# Altium PCB Copy of PCB1.PcbDoc (part 1 of 2)
Units mil, origin at the board's own origin, x right, y up, seen from the top; angles counter-clockwise.
Board outline 3937 x 3937.01 mil, 4 copper layers (Top Layer, GND_02, PWR_03, Bottom Layer), stack 23.756 mil thick; 235 components, 113 nets, 583 pads, 552 vias.
Unrouted connection lines stored in the file: 1.
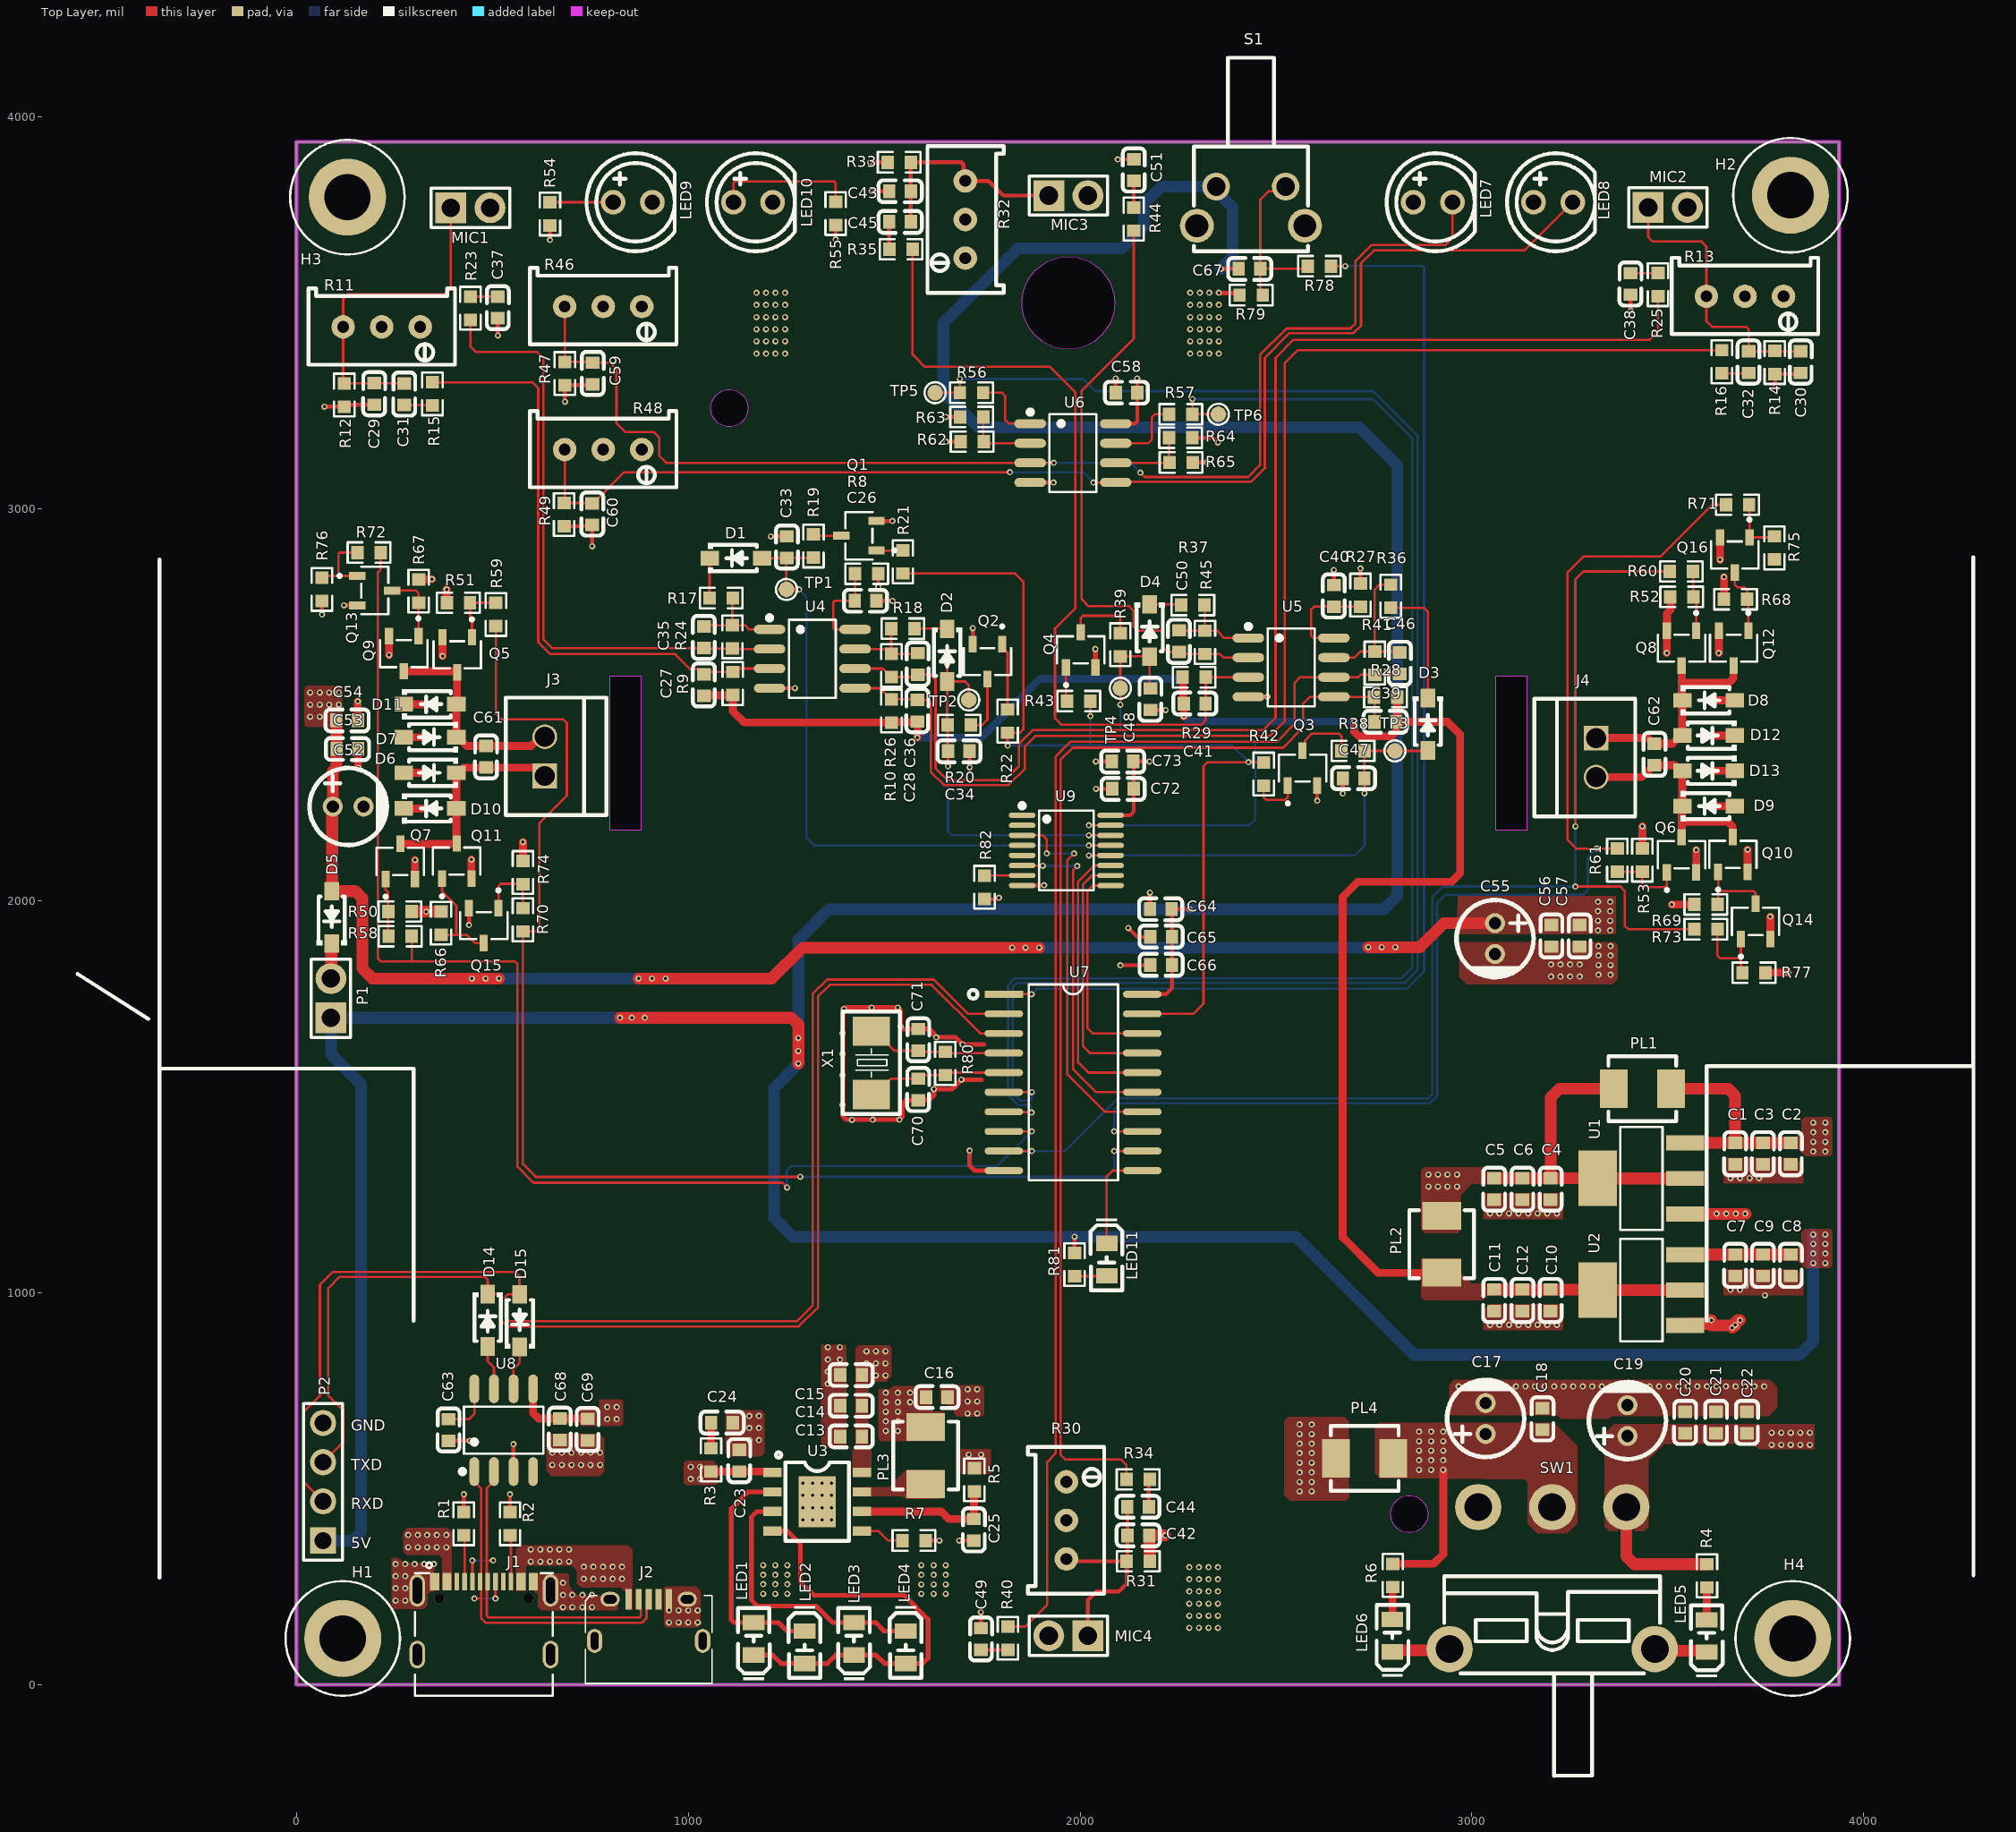
[diagram p0: Top Layer view]
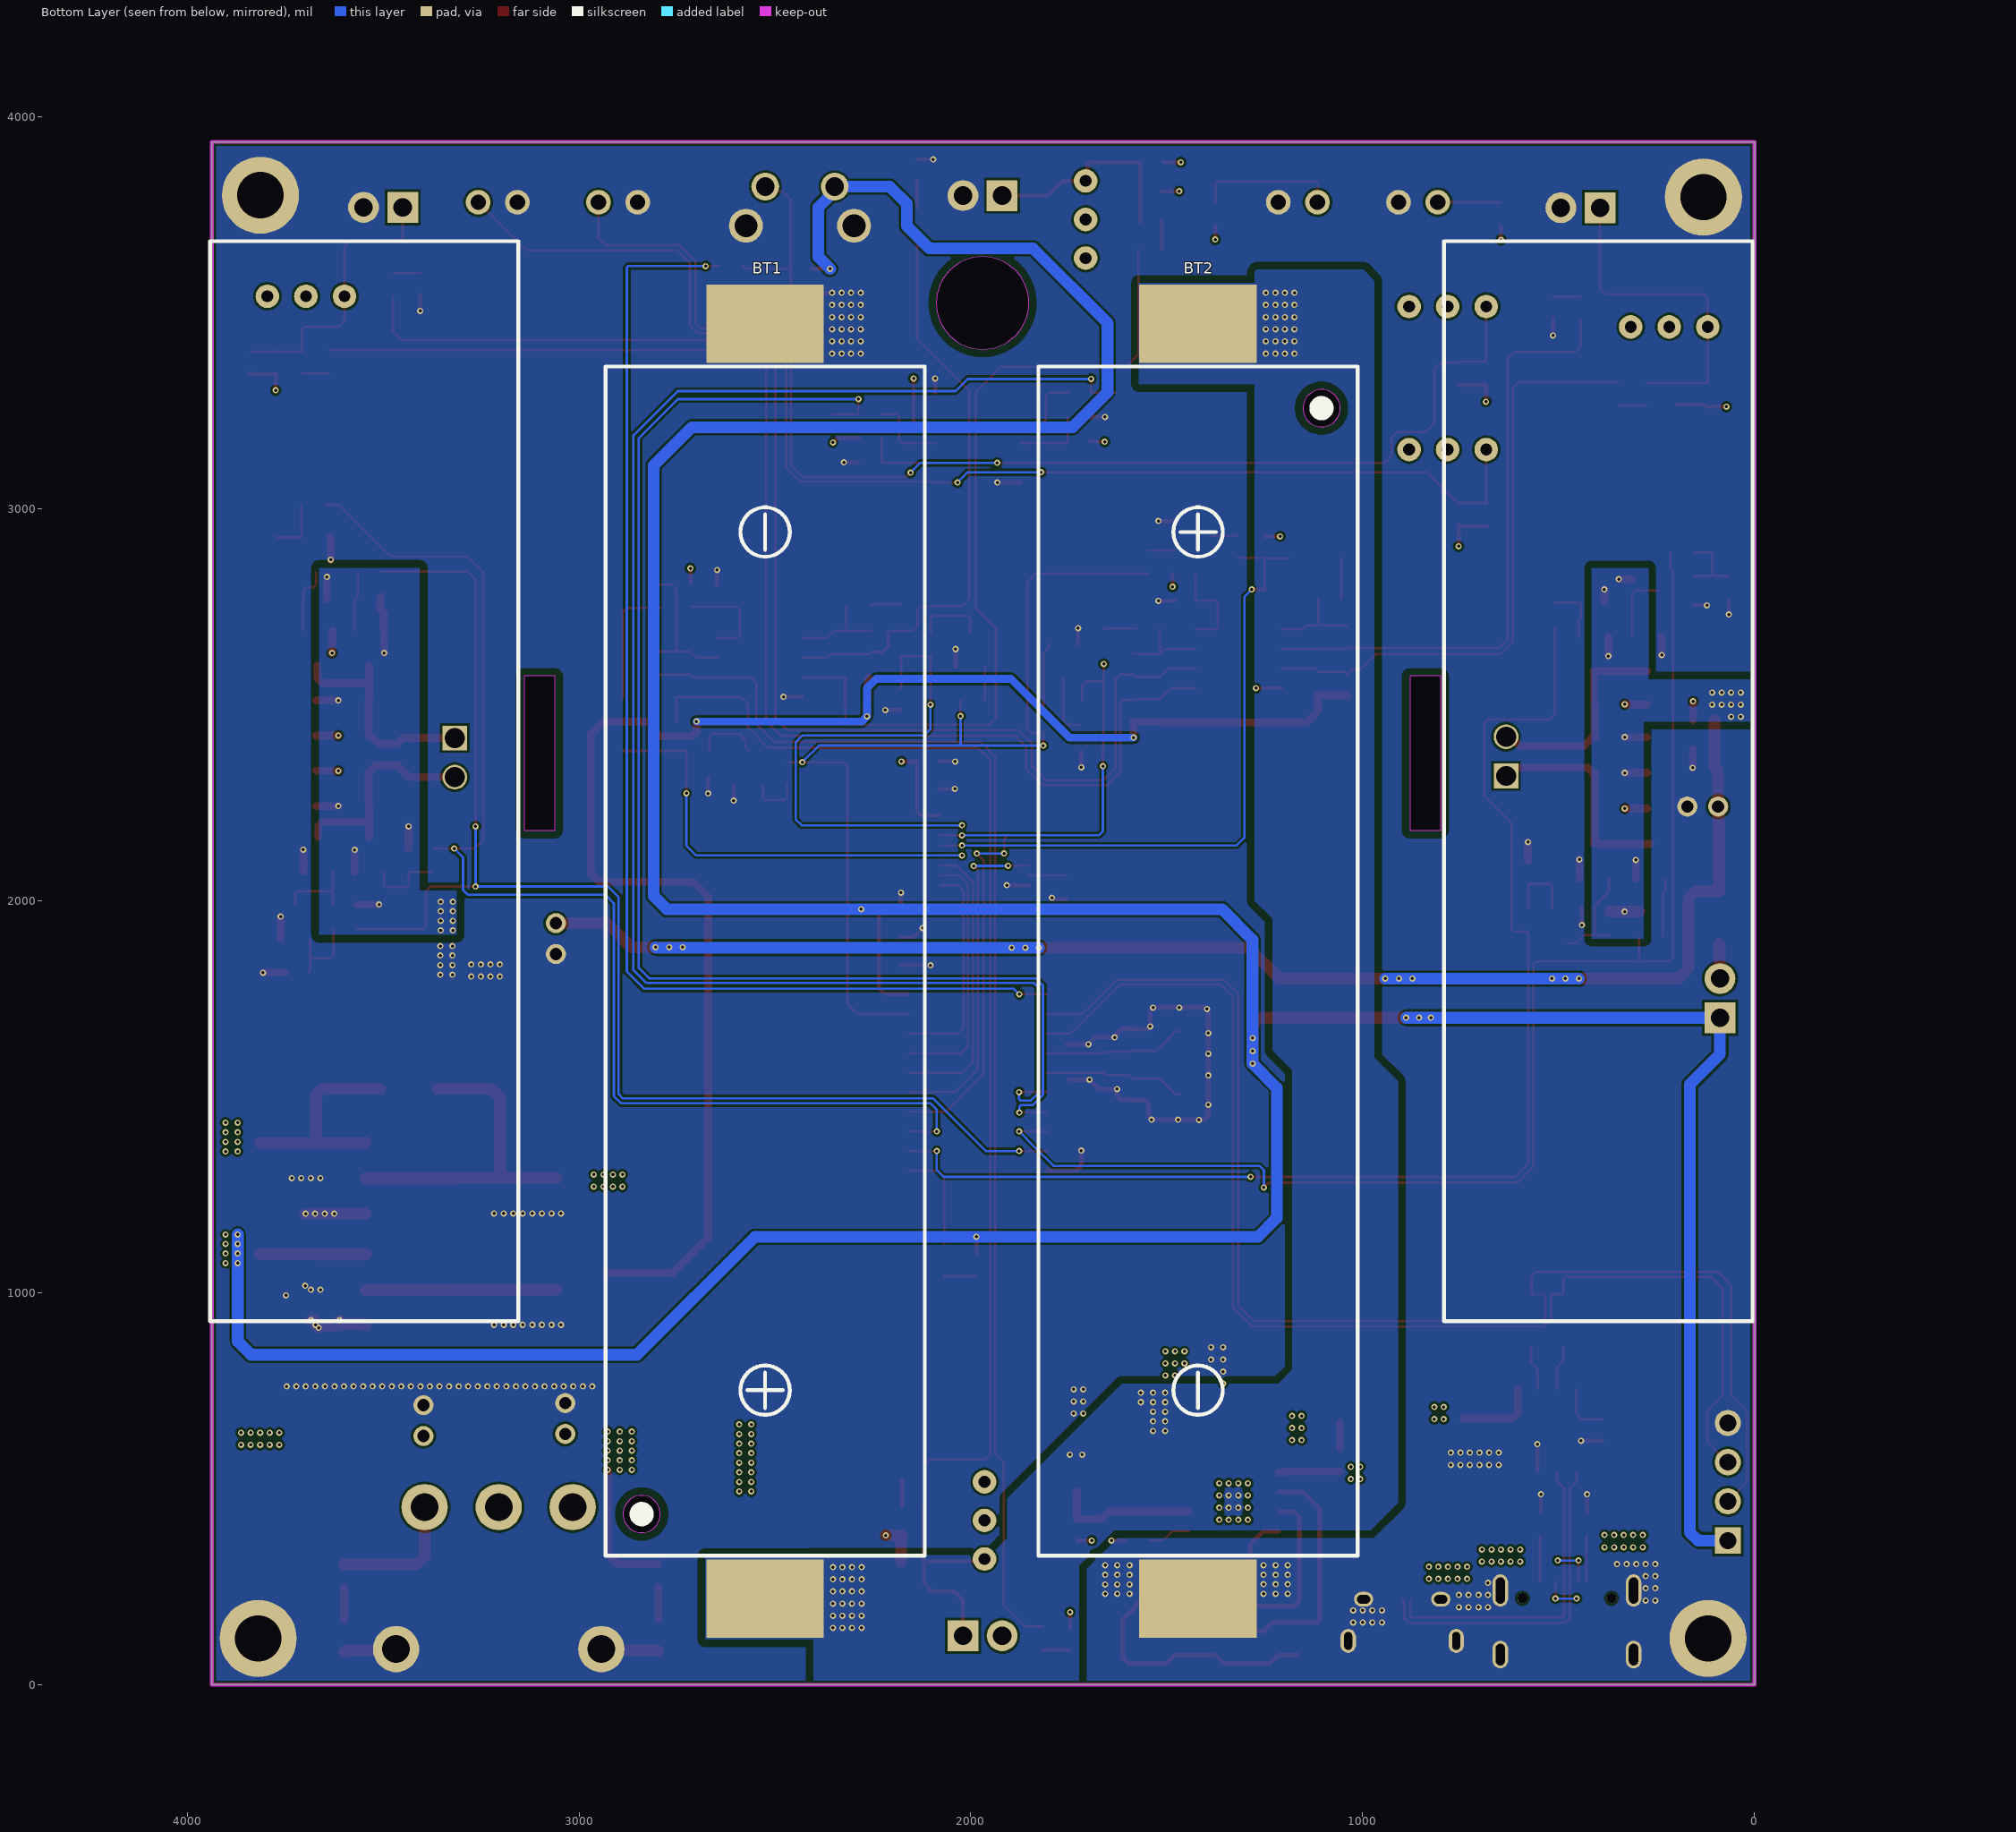
[diagram p1: Bottom Layer view, seen from below]
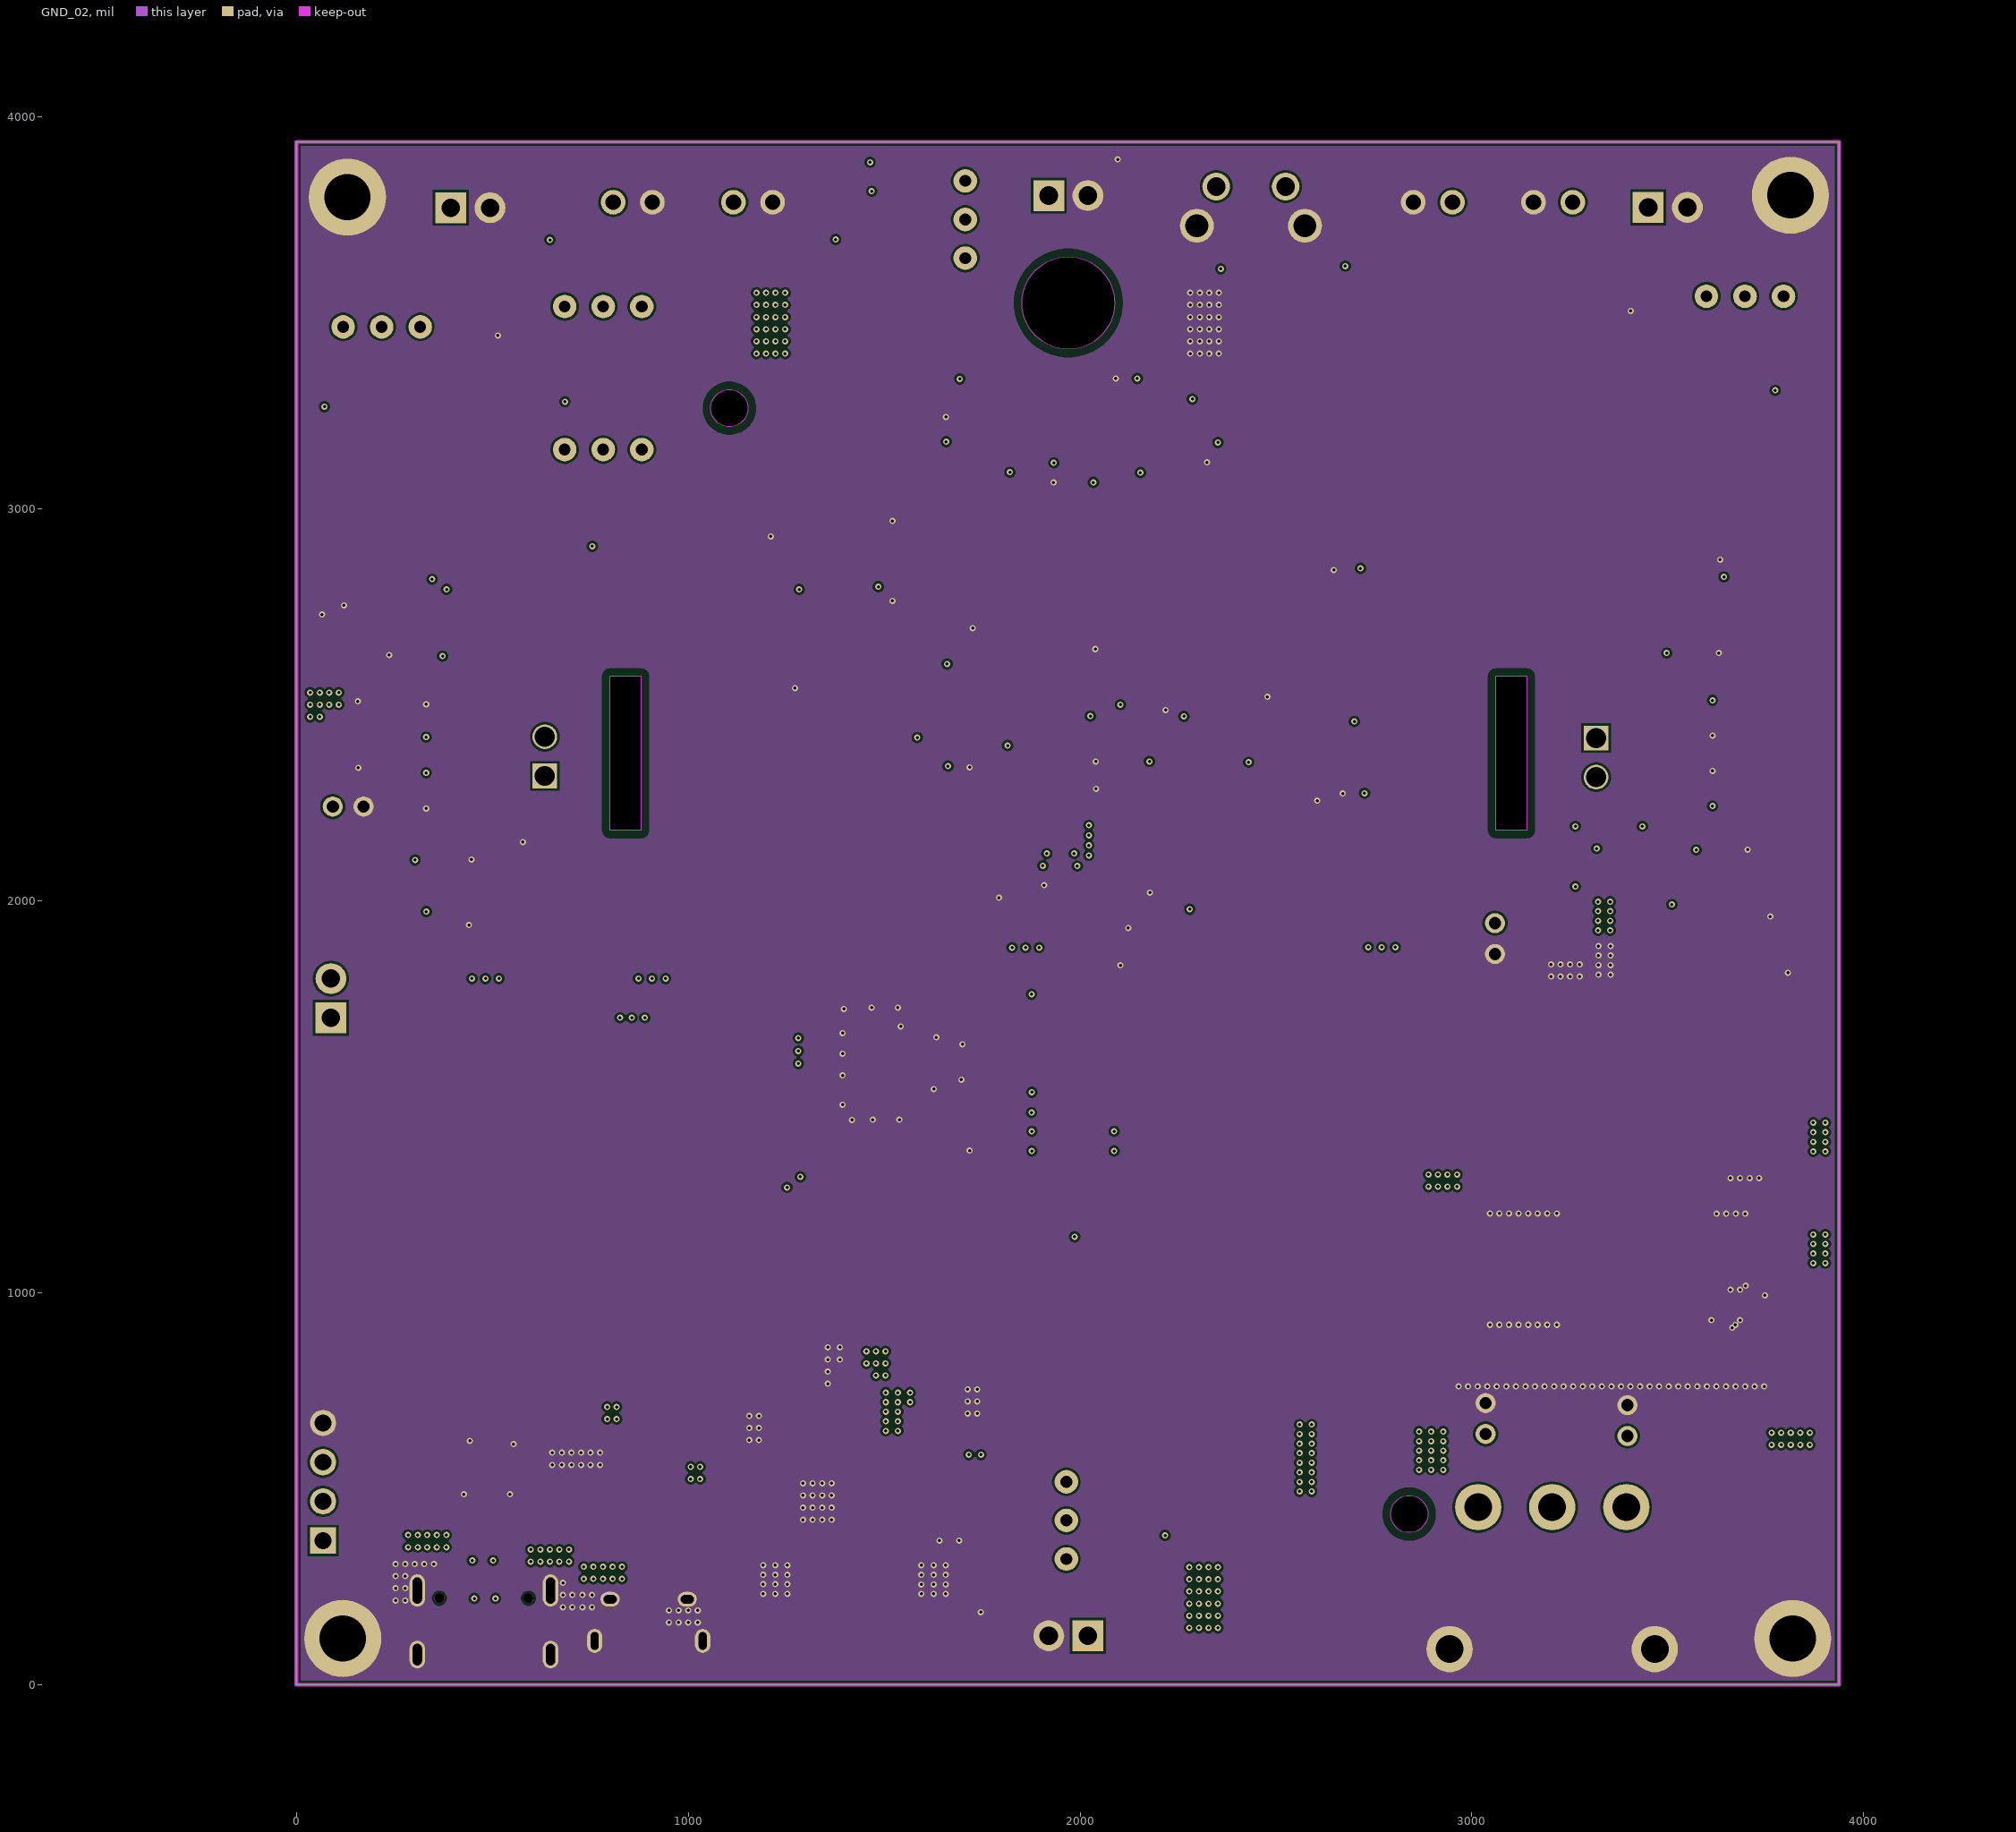
[diagram p2: GND_02]
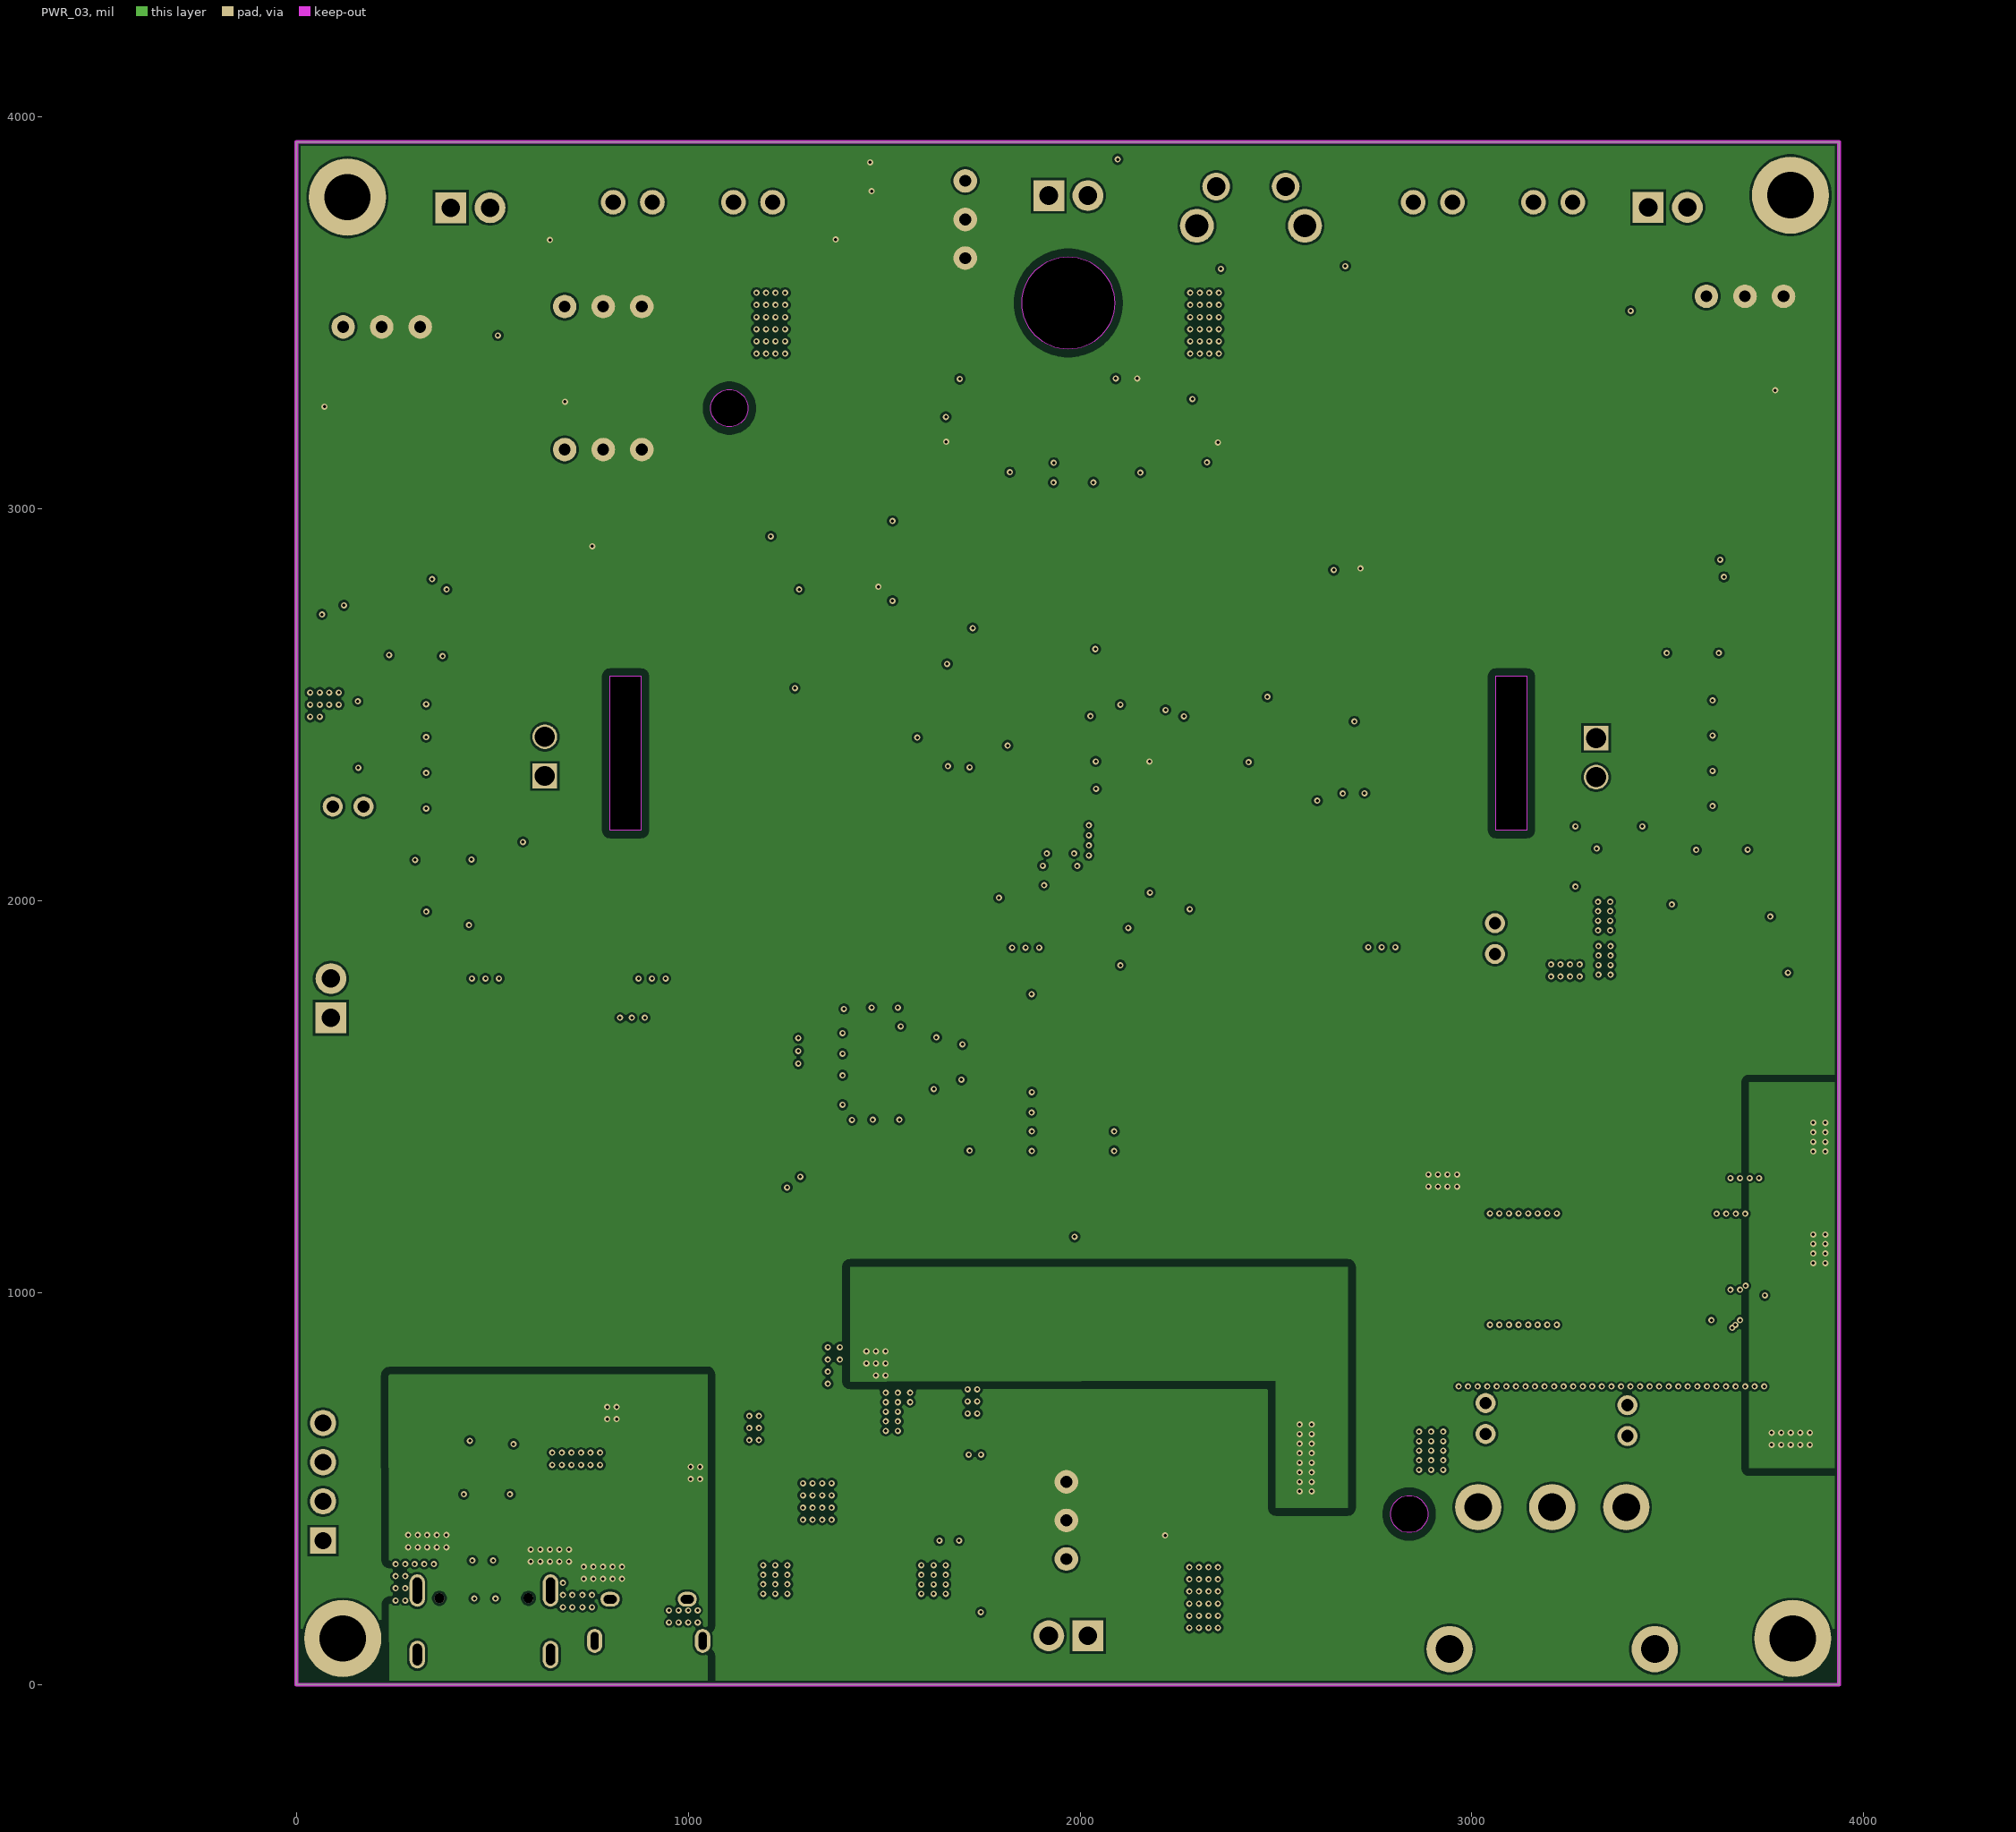
[diagram p3: PWR_03]

## Layer stack, top to bottom
Top Solder: solder mask 0.4, Solder Resist, Dk 3.5
Top Layer: signal copper 1.4
Dielectric 2: prepreg 2.8, PP-006, Dk 4.1
GND_02: signal copper 1.378
Dielectric 3: prepreg 2.8, PP-006, Dk 4.1
PWR_03: signal copper 1.378
Dielectric 1: dielectric 12.6, FR-4, Dk 4.8
Bottom Layer: signal copper 1.4
Bottom Solder: solder mask 0.4, Solder Resist, Dk 3.5

## Board outline
0,0 0,3937.01 3937,3937.01 3937,0
cut-out: 1970,3407.89 cw(c1970,3526) 1851.89,3526 cw(c1970,3526) 1970,3644.11 cw(c1970,3526) 2088.11,3526 cw(c1970,3526)
cut-out: 3061.56,2180.15 3061.56,2573.85 3140.3,2573.85 3140.3,2180.15
cut-out: 800.56,2180.15 800.56,2573.85 879.3,2573.85 879.3,2180.15

## Design rules (kind name [scope] priority, off if disabled: settings)
Clearance [All] p1: gap=6 ignorepadtopadclearanceinfootprint=TRUE except(20: Fill-Fill Fill-Poly Fill-Region Poly-Poly Poly-Region Region-Region)
DiffPairsRouting [All] p1: maxlimit=8 minlimit=8 mostfreqgap=8 toplayer_minwidth=6.23 toplayer_maxwidth=6.23 toplayer_prefwidth=6.23 midlayer1_minwidth=6.23 midlayer1_maxwidth=6.23 midlayer1_prefwidth=6.23 midlayer2_minwidth=6.23 midlayer2_maxwidth=6.23 midlayer2_prefwidth=6.23 bottomlayer_minwidth=6.23 bottomlayer_maxwidth=6.23 bottomlayer_prefwidth=6.23 maxuncoupledlength=500
MinimumSolderMaskSliver [All] p1: minsoldermaskwidth=4
PolygonConnect POWER [InNetClass('PWR')] p1: connectstyle=Direct reliefconductorwidth=10 reliefentries=4 polygonreliefangle="90 Angle" airgapwidth=10
PolygonConnect [All] p2: thpad.connectstyle=Direct thpad.reliefconductorwidth=10 thpad.reliefentries=4 thpad.polygonreliefangle="90 Angle" thpad.airgapwidth=10 smdpad.connectstyle=Relief smdpad.reliefconductorwidth=10 smdpad.reliefentries=4 smdpad.polygonreliefangle="90 Angle" smdpad.airgapwidth=10 via.connectstyle=Direct via.reliefconductorwidth=10 via.reliefentries=4 via.polygonreliefangle="90 Angle" via.airgapwidth=10
RoutingVias [All] p1: holewidth=8 width=16 viastyle="Through Hole" minholewidth=8 minwidth=16 maxholewidth=8 maxwidth=16
SilkToSilkClearance [All] p1: silktosilkclearance=4
SilkToSolderMaskClearance [IsPad] p1: minsilkscreentomaskgap=4 clearancetoexposedcopper=TRUE
SolderMaskExpansion [All] p1: expansion=4 istentingtop=FALSE
Width PWR [InNetClass('PWR')] p1: maxlimit=30 minlimit=10 preferedwidth=10
Width [All] p2: maxlimit=50 minlimit=6 preferedwidth=6
26 further rules are at their usual default settings.
